# KiCad board sdi-fiber-adapter.kicad_pcb (continued)
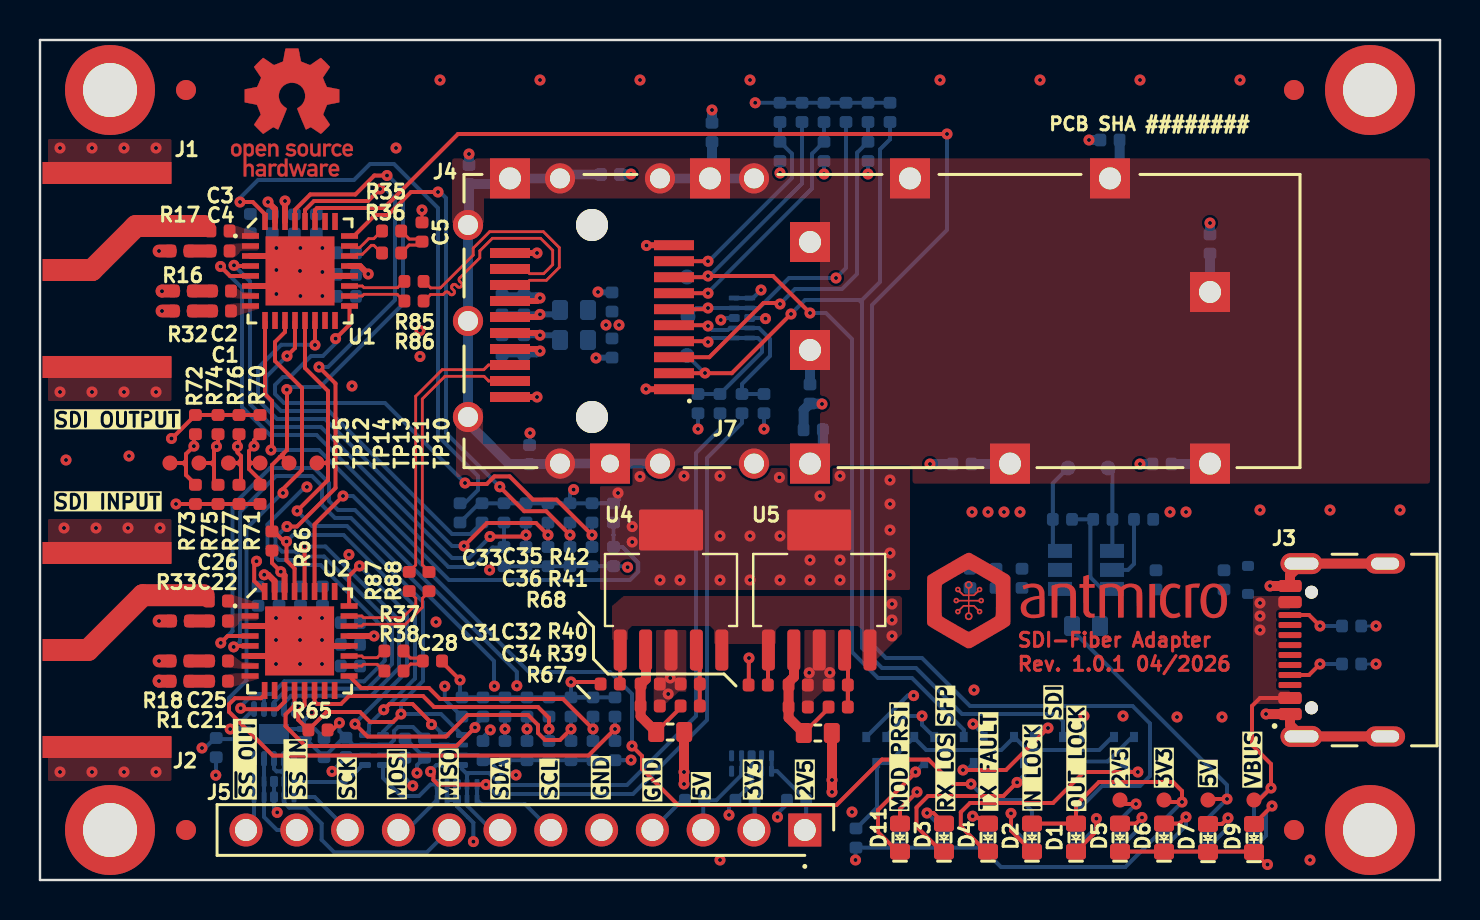
[diagram p0: board, top side]
## Library data of the parts (continued)
U6 = -: Datasheet: https://www.mouser.com/datasheet/2/115/DIOD_S_A0008958405_1-2543193.pdf; Description: Power Load Distribution Switch, High Side, Active High, 1 Output, 5.5 V, 3.6 A, 0.04 ohm, TSOT-26-6; MPN: AP22615AWU-7; Manufacturer: Diodes Incorporated; Author: Antmicro; License: Apache-2.0
U7 = -: Datasheet: https://www.nxp.com/docs/en/data-sheet/NTS0104.pdf; Description: Voltage Level Translator Bidirectional 1 Circuit 4 Channel 50Mbps 14-DHVQFN (2.5x3); MPN: NTS0104BQ; Manufacturer: NXP; Author: Antmicro; License: Apache-2.0
U8 U11 = -: Datasheet: http://www.farnell.com/datasheets/1760723.pdf; Description: Transceiver, 1.65 V to 3.6 V, XSON-8; MPN: NTS0102GT; Manufacturer: NXP; Author: Antmicro; License: Apache-2.0

## Footprints (pads in the part's own frame, mm; a bottom-side part is the same pattern mirrored in y, then rotated)
C_0402_1005Metric
  rrect 0.59x0.64 smd: 1(-0.48,0) 2(0.48,0)
Conn_Bel-Fuse_SFP+_1x20_SS-79100-004
  round 1.6 hole 1.6 unplated: (0.25,4.8) (0.25,-4.8)
  rect 2x0.5 smd: 1(-3.85,3.41) 2(-3.85,2.61) 3(-3.85,1.81) 4(-3.85,1.01) 5(-3.85,0.21) 6(-3.85,-0.59) 7(-3.85,-1.39) 8(-3.85,-2.19) 9(-3.85,-2.99) 10(-3.85,-3.79) 11(4.35,-3.4) 12(4.35,-2.6) 13(4.35,-1.8) 14(4.35,-1) 15(4.35,-0.2) 16(4.35,0.6) 17(4.35,1.4) 18(4.35,2.2) 19(4.35,3) 20(4.35,3.8)
Conn_Bel-Fuse_SFP+_Cage_SS-79100-001
  round 1.508 hole 1: SH(-2.33,-4.6) SH(-2.33,-9.6) SH(-2.33,-14.3) SH(0,0) SH(4.8,0) SH(9.6,0) SH(11.93,-4.6) SH(11.93,-9.6) SH(11.93,-14.3)
  rect 2x2 hole 0.9: SH(-2.33,-7.1)
  rect 2x2 hole 1.1: SH(-2.33,-17.1) SH(-2.33,-27.1) SH(-2.33,-37.1) SH(3.35,-17.1) SH(6.25,-37.1) SH(8.75,-17.1) SH(11.93,-2.1) SH(11.93,-12.1) SH(11.93,-22.1) SH(11.93,-32.1)
Conn_BNC_031-70526-21
  rect 1.1x1.75 smd: 1(0,7.872)
  rect 1.1x6.45 smd: 2(-4.851,10.221) 2(4.849,10.221)
DHVQFN-14-1EP_2.5x3mm
  oval 0.3x0.8 smd: 1(-0.25,1.5) 7(-0.25,-1.499) 8(0.244,-1.499) 14(0.244,1.5)
  oval 0.8x0.3 smd: 2(-1.25,1) 3(-1.25,0.5) 4(-1.25,0) 5(-1.25,-0.494) 6(-1.25,-0.994) 9(1.249,-0.994) 10(1.249,-0.494) 11(1.249,0) 12(1.249,0.5) 13(1.249,1)
  rect 1x1.5 smd: 15(0,0)
Fiducial_1mm_Mask2mm
  round 1 smd: (0,0)
L_0603_1608Metric
  rrect 0.8x1 smd: 1(-0.7,0) 2(0.7,0)
LED_0603_1608Metric_G
  rrect 0.8x1 smd: 1(-0.7,0) 2(0.7,0)
LED_0603_1608Metric_R
  rrect 0.8x1 smd: 1(-0.7,0) 2(0.7,0)
MP_Pad4.5mm_Drill2.7mm
  round 4.5 hole 2.7: 1(0,0)
PinHeader_1x12_P2.54mm_Drill1.1mm
  rect 1.65x1.65 hole 1.1: 1(0,0)
  round 1.65 hole 1.1: 2(2.54,0) 3(5.08,0) 4(7.62,0) 5(10.16,0) 6(12.7,0) 7(15.24,0) 8(17.78,0) 9(20.32,0) 10(22.86,0) 11(25.4,0) 12(27.94,0)
QFN-32-1EP_5x5mm
  rect 0.85x0.28 smd: 1(-2.495,1.702) 2(-2.495,1.2) 3(-2.495,0.701) 4(-2.495,0.201) 5(-2.495,-0.296) 6(-2.495,-0.8) 7(-2.495,-1.3) 8(-2.495,-1.8) 17(2.456,-1.8) 18(2.456,-1.3) 19(2.456,-0.8) 20(2.456,-0.296) 21(2.456,0.201) 22(2.456,0.701) 23(2.456,1.2) 24(2.456,1.702)
  rect 0.28x0.85 smd: 9(-1.768,-2.523) 10(-1.269,-2.523) 11(-0.772,-2.523) 12(-0.272,-2.523) 13(0.229,-2.523) 14(0.728,-2.523) 15(1.23,-2.523) 16(1.73,-2.523) 25(1.73,2.426) 26(1.23,2.426) 27(0.728,2.426) 28(0.229,2.426) 29(-0.272,2.426) 30(-0.772,2.426) 31(-1.269,2.426) 32(-1.768,2.426)
  rect 3.45x3.45 smd: 33(-0.02,-0.048)
R_0402_1005Metric
  rrect 0.59x0.64 smd: 1(-0.48,0) 2(0.48,0)
R_0603_1608Metric
  rrect 0.8x1 smd: 1(-0.7,0) 2(0.7,0)
SOD-523
  rrect 0.5x0.6 smd: 1(-0.701,0) 2(0.699,0)
SOT-223-6
  rrect 0.65x2.05 smd: 1(-2.54,-3) 2(-1.27,-3) 3(0,-3) 4(1.27,-3) 5(2.54,-3)
  rrect 3.2x2.05 smd: 6(0,3)
SOT-523
  rect 0.4x0.51 smd: 1(-0.5,-0.65) 2(0.498,-0.65) 3(0,0.652)
TP_SMD_0.75mm
  round 0.75 smd: 1(0,0)
TSOT23-6
  rect 1.2x0.7 smd: 1(-1.301,0.947) 2(-1.301,-0.004) 3(-1.301,-0.954) 4(1.299,-0.954) 5(1.299,-0.004) 6(1.299,0.947)
USB-C_Receptacle_GCT_USB4105-GF-A
  round 0.65 hole 0.65 unplated: (-2.891,2.426) (2.89,2.426)
  rrect 0.6x1.15 smd: A1(-3.202,3.5) A4(-2.4,3.5) A9(2.398,3.5) A12(3.2,3.5) B1(3.2,3.5) B4(2.398,3.5) B9(-2.4,3.5) B12(-3.202,3.5)
  rrect 0.3x1.15 smd: A5(-1.25,3.5) A6(-0.25,3.5) A7(0.248,3.5) A8(1.249,3.5) B5(1.749,3.5) B6(0.748,3.5) B7(-0.75,3.5) B8(-1.75,3.5)
  oval 1.05x2.1 hole 0.6x1.7: SH(-4.321,2.926) SH(4.32,2.926)
  oval 1x2 hole 0.6x1.4: SH(-4.321,-1.255) SH(4.32,-1.255)
USON-10_2.5x1mm_P0.5mm
  rrect 0.55x0.25 smd: 1(-0.387,1) 2(-0.387,0.5) 4(-0.387,-0.498) 5(-0.387,-0.998) 6(0.385,-0.998) 7(0.385,-0.498) 9(0.385,0.5) 10(0.385,1)
  rrect 0.55x0.4 smd: 3(-0.387,0) 8(0.385,0)
XSON-8_1x1.95mm_P0.5mm
  rrect 0.6x0.3 smd: 1(-0.45,0.75) 4(-0.45,-0.75) 5(0.45,-0.75) 8(0.45,0.75)
  rrect 0.6x0.25 smd: 2(-0.45,0.25) 3(-0.45,-0.25) 6(0.45,-0.25) 7(0.45,0.25)

## Nets
+2V5: C6.2 C7.2 C9.2 C10.2 C12.2 C13.2 C15.2 C16.2 C17.2 C19.2 C50.2 C52.2 C59.2 C62.1 J5.1 R2.2 R3.2 R4.2 R5.2 R6.2 R7.2 R20.2 R22.2 R24.2 R26.2 R28.2 R30.2 R50.2 R65.2 R66.2 R67.2 R70.2 R72.2 R74.2 R76.2 TP2.1 U1.21 U1.30 U2.21 U2.30 U7.1 U7.8 U8.3 U8.6 U11.3 U11.6 U12.1 U12.10
+3V3: C29.2 C30.2 C51.2 C53.2 C60.2 C61.1 D1.2 D2.2 J5.2 L1.1 L2.1 R48.2 R49.2 R53.2 R54.2 R55.2 R56.2 R57.2 R61.2 R68.2 R80.2 R81.2 R82.2 R83.2 R84.2 TP3.1 U7.14 U8.7 U11.7 U12.2 U12.9
+5V: C31.2 C33.2 C48.2 C49.1 C58.1 C63.2 J5.3 R47.2 R69.2 TP1.1 U4.1 U4.5 U5.1 U5.5 U6.1 U12.4 U12.7
/Power/2V5_OUT: C32.2 C34.2 R39.2 R67.1 U4.2
/Power/3V3_OUT: C35.2 C36.2 R41.2 R68.1 U5.2
GND: C5.1 C6.1 C7.1 C9.1 C10.1 C11.1 C12.1 C13.1 C14.1 C15.1 C16.1 C17.1 C18.1 C19.1 C20.1 C28.1 C29.1 C30.1 C31.1 C32.1 C33.1 C34.1 C35.1 C36.1 C37.1 C38.1 C39.1 C40.1 C41.1 C42.1 C43.1 C44.1 C45.1 C46.1 C47.2 C48.1 C49.2 C50.1 C51.1 C52.1 C53.1 C54.1 C55.1 C56.1 C57.1 C58.2 C59.1 C60.1 C61.2 C62.2 C63.1 D5.1 D6.1 D7.1 D8.2 D9.1 J1.2 J2.2 J3.A1 J3.A12 J3.B1 J3.B12 J3.SH J5.4 J5.5 J7.1 J7.10 J7.11 J7.14 J7.17 J7.20 MP1.1 MP2.1 MP3.1 MP4.1 Q1.2 Q2.2 Q3.2 Q4.2 R1.1 R8.1 R9.1 R10.1 R11.1 R12.1 R13.1 R14.1 R16.1 R17.1 R18.1 R19.1 R21.1 R23.1 R25.1 R27.1 R29.1 R31.1 R32.1 R33.1 R40.1 R42.1 R43.1 R44.1 R58.1 R59.1 R60.1 R62.1 R63.1 R71.1 R73.1 R75.1 R77.1 R78.1 R79.1 U1.3 U1.6 U1.20 U1.33 U2.3 U2.6 U2.20 U2.33 U3.3 U3.5 U3.6 U3.8 U4.3 U4.6 U5.3 U5.6 U6.2 U7.7 U7.15 U8.2 U9.3 U9.4 U9.7 U9.8 U10.3 U10.8 U11.2 U12.3 U12.8
/Fiber/100OHM-DIFF.RD+: J7.13 R85.2
/Fiber/100OHM-DIFF.RD-: J7.12 R86.2
/Fiber/100OHM-DIFF.TD+: J7.18 R87.2
/Fiber/100OHM-DIFF.TD-: J7.19 R88.2
/Fiber/I2C.SCL: J5.6 R52.1 U9.1 U9.10 U11.1
/Fiber/I2C.SDA: J5.7 R51.1 U9.2 U9.9 U11.8
/Fiber/MOD_ABS: J7.6 Q4.1 R53.1 TP4.1 U3.4 U3.7
/Fiber/MOD_PRST: Q3.1 Q4.3 Q5.1 Q6.1 R81.1
/Fiber/RS0: J7.7 R60.2 R84.1
/Fiber/RS1: J7.9 R59.2 R83.1
/Fiber/RX_LOS: J7.8 Q1.1 R54.1 TP5.1
/Fiber/SCL_SFP: J7.5 R52.2 R56.1 U3.2 U3.9
/Fiber/SDA_SFP: J7.4 R51.2 R57.1 U3.1 U3.10
/Fiber/SH: C38.2 C39.2 C40.2 C41.2 C42.2 C43.2 C44.2 C45.2 C46.2 J4.SH R62.2
/Fiber/TX_DISABLE: J7.3 R58.2 R82.1
/Fiber/TX_FAULT: J7.2 Q2.1 R55.1 TP6.1
/Power/USBC_EN: R46.1 TP9.1 U6.4
/Power/USBC_FLG: R45.1 TP8.1 U6.3
/Power/USBC_ISET: R63.2 U6.5
/Power/USBC_VBUS: C47.1 C57.2 D8.1 J3.A4 J3.A9 J3.B4 J3.B9 R45.2 R46.2 R64.2 R69.1 TP7.1 U6.6
/SDI/ADDR0_~{SS0}_2V5: R70.1 R71.2 TP13.1 U2.11 U7.3
/SDI/ADDR0_~{SS1}_2V5: R74.1 R75.2 TP12.1 U1.11 U7.2
/SDI/ADDR1_MISO_0_2V5: R72.1 R73.2 TP15.1 U2.28 U7.5
/SDI/ADDR1_MISO_1_2V5: R76.1 R77.2 TP14.1 U1.28 U7.4
/SDI/ENABLE0: R78.2 U2.32
/SDI/ENABLE1: R79.2 U1.32
/SDI/EQ_CD_SEL0: R20.1 R21.2 U2.5
/SDI/EQ_CD_SEL1: R2.1 R9.2 U1.5
/SDI/HOST_EQ00: R30.1 R31.2 U2.9
/SDI/HOST_EQ01: R7.1 R14.2 U1.9
/SDI/IN0_C+: R37.1 U2.19
/SDI/IN0_C-: R38.1 U2.18
/SDI/MODE_SEL0: R19.2 U2.12
/SDI/MODE_SEL1: R8.2 U1.12
/SDI/OUT0_C+: R35.1 U1.23
/SDI/OUT0_C-: R36.1 U1.22
/SDI/OUT0_SEL0: R22.1 R23.2 U2.4
/SDI/OUT0_SEL1: R3.1 R10.2 U1.4
/SDI/OUT_CTRL0: R28.1 R29.2 U2.17
/SDI/OUT_CTRL1: R6.1 R13.2 U1.17
/SDI/RD_C+: R85.1 U1.19
/SDI/RD_C-: R86.1 U1.18
/SDI/SCL_SCK_2V5: R66.1 TP11.1 U1.29 U2.29 U8.4 U11.4
/SDI/SDA_MOSI_2V5: R65.1 TP10.1 U1.13 U2.13 U8.5 U11.5
/SDI/SDI0_IO+: C22.1 J2.1
/SDI/SDI0_IO-: C26.1 R33.2
/SDI/SDI0_IO_C+: C22.2 U2.1
/SDI/SDI0_IO_C-: C26.2 U2.2
/SDI/SDI0_OUT+: C21.1 R1.2
/SDI/SDI0_OUT-: C25.1 R18.2
/SDI/SDI0_OUT_C+: C21.2 U2.8
/SDI/SDI0_OUT_C-: C25.2 U2.7
/SDI/SDI1_IO+: C3.1 J1.1
/SDI/SDI1_IO-: C4.1 R17.2
/SDI/SDI1_IO_C+: C3.2 U1.1
/SDI/SDI1_IO_C-: C4.2 U1.2
/SDI/SDI1_OUT+: C1.1 R16.2
/SDI/SDI1_OUT-: C2.1 R32.2
/SDI/SDI1_OUT_C+: C1.2 U1.8
/SDI/SDI1_OUT_C-: C2.2 U1.7
/SDI/SDI_OUT_SEL0: R24.1 R25.2 U2.14
/SDI/SDI_OUT_SEL1: R4.1 R11.2 U1.14
/SDI/SDI_VOD0: R26.1 R27.2 U2.24
/SDI/SDI_VOD1: R5.1 R12.2 U1.24
/SDI/SPI.MISO: J5.8 U7.10 U7.11 U10.2 U10.9
/SDI/SPI.MOSI: J5.9 U8.8 U9.5 U9.6
/SDI/SPI.SCK: J5.10 U8.1 U10.1 U10.10
/SDI/SPI.~{SS0}: J5.11 U7.12 U10.4 U10.7
/SDI/SPI.~{SS1}: J5.12 U7.13 U10.5 U10.6
/SDI/TD_C+: R87.1 U2.23
/SDI/TD_C-: R88.1 U2.22
/SDI/~{LOCK0}: R34.1 U2.27
/SDI/~{LOCK1}: R15.1 U1.27
Net-(C5-Pad2): C5.2 R35.2 R36.2
Net-(C28-Pad2): C28.2 R37.2 R38.2
Net-(D1-C): D1.1 R15.2
Net-(D2-C): D2.1 R34.2
Net-(D3-A): D3.2 R48.1
Net-(D3-C): D3.1 Q6.3
Net-(D4-A): D4.2 R49.1
Net-(D4-C): D4.1 Q5.3
Net-(D5-A): D5.2 R50.1
Net-(D6-A): D6.2 R61.1
Net-(D7-A): D7.2 R47.1
Net-(D9-A): D9.2 R64.1
Net-(D11-A): D11.2 R80.1
Net-(D11-C): D11.1 Q3.3
Net-(J3-CC_{1}): J3.A5 R43.2
Net-(J3-CC_{2}): J3.B5 R44.2
Net-(J7-V_{CC}(R)): C37.2 C54.2 J7.15 L1.2
Net-(J7-V_{CC}(T)): C55.2 C56.2 J7.16 L2.2
Net-(Q1-D): Q1.3 Q6.2
Net-(Q2-D): Q2.3 Q5.2
Net-(U1-VDD_LDO): C11.2 C14.2 U1.31
Net-(U2-VDD_LDO): C18.2 C20.2 U2.31
Net-(U4-FB): R39.1 R40.2 U4.4
Net-(U5-FB): R41.1 R42.2 U5.4

Pads without a net: J3 A6 A7 A8 B6 B7 B8; U1 10 15 16 25 26; U2 10 15 16 25 26; U7 6 9; U12 5 6

## Via types
v1: diameter 0.55, hole 0.2, Top to Bottom, 268 vias

## Routing (per net, layer and track width the routed paths; a pad name or vN(x,y) marks a point on that pad's centre or on a via; arc(x,y) is an arc through that point)
+2V5: length 154.3
  Top w0.2: v1(54.8,3.8) 54.2,3.8 TP2.1 ; R65.2 14.61,7.5 v1(14.97,7.86) ; R70.2 R72.2 6.59,22.08 v1(6.58,22.08) ; R66.2 11.6,15.85 v1(12.04,15.41)
  Top w0.3: v1(12.25,33.95) 12.25,33.95 U1.30 ; v1(12.04,15.41) 12.23,15.22 U2.30 ; U1.21 16,30.7 16.3,30.4 16.31,30.4 v1(16.41,30.3) ; U2.21 v1(16.7,12.2)
  Top w0.5: R67.2 32.2,7.39 v1(32.2,5.4) 32.2,4.85
  In1.Cu w0.2: v1(54.8,3.8) 53.5,2.5 J5.1
  In2.Cu w0.2: 30.75,6.85 30.75,6.6 30.15,6 v1(29.55,6) ; 27.3,13.5 29.38,15.58 v1(29.38,15.64) ; 21.75,14.75 21.75,9.6 21.16,9.01 16.12,9.01 v1(14.97,7.86) 9.82,7.86 v1(9.51,7.55) ; v1(6.58,22.08) 11.35,17.3 11.35,16.2 12.04,15.51 v1(12.04,15.41)
  In2.Cu w0.8: 17.36,14.54 16.71,14.54 ; 17.36,14.54 17.35,14.55 17.35,29.36 v1(16.41,30.3) 16.3,30.41 16.3,32.4 14.75,33.95 v1(12.25,33.95) ; 17.36,14.54 26.26,14.54 30.24,10.56 30.24,7.36 v1(32.2,5.4) v1(32.2,4.8) 37.26,4.8 38.24,3.83 J5.1 ; 16.71,14.54 12.91,14.54 v1(12.04,15.41) ; 16.71,14.54 16.7,14.53 v1(16.7,12.2)
  Bottom w0.2: U7.1 9.51,7.55 v1(9.51,7.55) ; 9.9,7.54 10.2,7.54 ; R50.2 54,3 v1(54.8,3.8) ; R20.2 R30.2 29.54,5.99 v1(29.55,6) ; C52.2 15.66,6.75 U8.3 U8.6 17.45,6.75 17.7,7 17.7,7.45 17.9,7.65 18.65,7.65 C59.2 19.55,6.75 U11.6 ; C52.2 14.97,7.44 v1(14.97,7.86) ; C52.2 15.17,7.11 C50.2 ; C50.2 13.28,7.06 U7.8 13.43,7.06 ; C50.2 14.16,6.14 ; U12.10 U12.1 36.86,5.44 C62.1 38.31,2.57 J5.1 ; R2.2 29.33,15.69 v1(29.38,15.64)
+3V3: length 162.7
  Top w0.2: D2.2 D1.2 51.8,3.75 52.95,4.9 56.65,4.9 57.1,4.45 v1(57.1,3.9) 56.3,3.9 TP3.1
  Top w0.5: R68.2 39.6,7.34 v1(39.6,5) v1(39.6,4.4)
  In2.Cu w0.2: v1(40.78,1) 40.38,1.4 39.75,1.4 39.6,1.25 39.6,1.4 ; 35.9,38.8 35.82,38.8 v1(35.76,38.86) 33.9,37 30.4,37 28.95,35.55 v1(28.95,27.75) ; v1(8.1,6.6) 9.45,6.6 11.34,4.71 v1(18.64,4.71) 20.86,4.71 21.45,5.3 23.75,5.3 v1(23.8,5.25) 30.75,5.25 31.95,4.05 35.32,4.05 35.7,3.67 J5.2
  In2.Cu w0.5: 39.6,1.4 v1(39.6,4.4) 39.6,7.95 ; 28.85,27.75 28.4,27.75 ; 42.4,22.55 v1(36.2,22.55) v1(32.9,22.55)
  In2.Cu w0.8: J5.2 37.1,1.1 39.3,1.1 39.6,1.4 39.6,7.95 43.5,11.85 43.5,21.45 42.4,22.55 v1(32.9,22.55) 32.85,22.55 31.5,23.9 31.5,25.2 v1(28.95,27.75) v1(28.3,27.75)
  Bottom w0.2: v1(18.64,4.71) 18.25,5.1 C53.2 ; U12.9 U12.2 36.08,4.34 C61.1 35.73,2.53 J5.2 ; v1(40.78,1) 40.78,1.59 R81.2 R80.2 R48.2 R49.2 47.4,1.3 48.05,0.65 54.27,0.65 R61.2 56.2,3 v1(57.1,3.9) ; v1(23.8,5.25) 23.7,5.35 23.04,5.35 22.4,5.99 C60.2 21.89,6.25 U11.7 ; R57.2 v1(32.9,22.55) ; R56.2 v1(36.2,22.55) ; v1(8.1,6.6) 8.25,6.6 8.75,7.1 C51.2 8.86,7.05 10.2,7.05 ; C53.2 18.12,6.25 U8.7 ; C53.2 18.25,5.91 ; v1(35.76,38.86) R55.2
+5V: length 39.7
  Top w0.2: U5.1 36.4,11.48 36.4,9.6 ; U4.1 29.01,9.82 C31.2 29.02,9.83 ; TP1.1 58.45,4.05 v1(59.35,4.05)
  Top w0.5: 28.98,11.47 U4.1
  In1.Cu w1: J5.3 33.16,3.67 37.39,7.9 39.55,7.9 42.6,10.95 v1(42.6,13.8)
  Bottom w0.2: U12.7 U12.4 35.08,5.26 33.81,3.99 C58.1 33.16,3.94 J5.3 ; R69.2 51.6,12.5 59.35,4.75 v1(59.35,4.05) 58.4,3.1 R47.2
  vias: v1(42.6,13) v1(42.6,12.2)
/Power/2V5_OUT: length 6.4
  Top w0.2: R67.1 32.03,8.62 R39.2
  Top w0.5: U4.2 30.3,11.48 30.3,10.05 30.02,9.77 ; C32.2 C34.2 30.03,8.18 R67.1
/Power/3V3_OUT: length 6.3
  Top w0.2: R68.1 39.43,8.59 R41.2
  Top w0.5: U5.2 37.7,11.49 37.7,10.16 37.43,9.89 ; R68.1 37.43,8.11 C36.2 C35.2
GND: length 127.9
  Top w0.15: v1(19.1,33.5) C5.1
  Top w0.2: C28.1 20.1,10.9 v1(21,10) ; v1(35.45,11.1) 35.45,10.87 35.44,10.86 35.44,9.6 ; v1(61.38,0.78) 61.25,0.9 61.2,0.9 60.68,1.42 D5.1 ; R71.1 v1(6.8,18.8) ; v1(26.55,9.9) 27.93,9.9 28.02,9.81
  Top w0.3: U1.6 12.25,29.7 v1(13,30.45) ; v1(25,29.1) 24.85,28.95 J7.14 ; U2.33 12.23,11.2 U2.6 ; U2.33 13.23,11.7 U2.20 ; U2.33 12.23,12.7 U2.3 ; v1(13,30.45) 13.25,30.2 U1.20 ; v1(13,30.45) 12.25,31.2 U1.3 ; J7.1 30.36,24.54 30.35,24.55 v1(30.3,24.55) ; v1(25,26.45) 24.9,26.55 J7.17 23.55,26.6 ; J7.20 v1(24.85,24.15) ; J7.11 v1(24.85,31.35) ; v1(30.32,31.72) 30.34,31.74 J7.10 ; 6.48,31.48 R17.1
  Top w0.5: v1(61.5,14.7) J3.A12 62.5,15.25 J3.SH J3.SH ; J3.SH J3.SH 62.5,7.75 J3.A1 61.3,8.3 v1(61.3,8.3)
  Top w0.64: R33.1 v1(5.95,12.95) ; v1(6.1,29.44) 6.11,29.45 R32.1 ; R18.1 v1(5.95,10.95) ; R1.1 5.96,9.94 v1(5.95,9.95) ; R16.1 v1(6.1,28.45) ; R17.1 v1(5.95,31.45)
  Bottom w0.15: R44.1 v1(66.8,12.7) ; R43.1 v1(66.8,10.8)
  Bottom w0.2: v1(36.88,3.15) 36.9,3.17 36.9,3.35 37.35,3.8 C62.2 ; 18.12,7.08 18.14,7.08 ; 47.16,7.15 47.16,7.29 v1(46.65,7.8) ; 18.26,7.08 C59.1 18.85,5.74 v1(18.85,5.35) ; R58.1 v1(41.4,35.3) ; U7.7 11.95,7.55 U7.15 ; U7.7 13.75,7.55 C50.1 14.35,7.1 ; U7.7 13.2,7.99 v1(13.59,8.37) ; v1(26.68,19.52) 26.5,19.34 R12.1 ; v1(36.05,29.5) 35.65,29.1 U3.6 U3.5 ; C46.1 24.5,21.77 v1(24.5,22.35) ; U9.3 U9.8 U9.7 20.35,3.82 ; U9.3 U9.4 ; U9.3 20.85,3.68 21.67,2.86 v1(21.67,1.92) ; v1(37,35.35) R59.1 ; v1(21,10) 21,9.23 R78.1 R19.1 R31.1 ; v1(26.55,9.9) R27.1 R29.1 ; 11.8,4.83 11.7,4.92 U10.3 11.7,3.54 v1(11.86,3.38) ; R14.1 R8.1 21.96,18.83 R79.1 ; J5.4 32.11,3.99 C58.2 ; 23.22,9.13 R21.1 ; 44.71,7.29 Q3.2 44.1,7.76 v1(44.1,8.2) ; 8.8,5.88 8.8,5.25 v1(8.79,5.24) ; v1(36.28,28.07) 36.24,28.1 U3.8 ; v1(22.51,7.51) 22.15,7.14 C60.1 ; U11.2 19.24,6.25 19.1,6.11 ; U12.8 35.58,4.8 C61.2 34.45,3.67 v1(34.45,3.25) ; v1(14.6,5.43) 15.3,6.13 C52.1 15.4,6.25 U8.2 ; U3.3 34.14,28.1 v1(34.04,28) ; Q4.2 42.31,7.21 43.3,8.2 43.8,8.2 ; v1(52.2,8.2) 52.2,7.15 ; R60.1 v1(39.2,35.3)
  Bottom w0.3: C29.1 27.92,29.38 v1(27.9,29.4) ; v1(25,26.45) 24.83,26.28 C55.1 23.18,26.36 ; R14.1 28.9,19.06 v1(28.9,19.35) ; 51.39,15.53 50.88,15.53 ; C37.1 24.86,29.24 v1(25,29.1) ; C30.1 27.82,26.12 v1(27.8,26.1)
  Bottom w0.5: v1(29.55,35.3) 29.53,35.28 R62.1 ; C43.1 v1(58.5,32.85) ; v1(33.6,38.5) C44.1 ; C39.1 v1(44.5,20.8) ; C45.1 38.18,23.5 C38.1 39.08,23.82 v1(39.1,23.8) ; C41.1 v1(52.45,37) ; C42.1 v1(21.45,36.3) ; C40.1 v1(55,20.8)
  vias: v1(1,36.6) v1(1,24.4) v1(1,5.4) v1(1.2,17.6) v1(1.3,21) v1(2.6,36.6) v1(2.6,24.4) v1(2.6,5.4) v1(2.8,17.6) v1(4.2,36.6) v1(4.2,24.4) v1(4.2,5.4) v1(4.4,17.6) v1(4.45,21.2) v1(5.8,36.6) v1(5.8,24.4) v1(5.8,5.4) v1(6,17.6) v1(11.82,31.6) v1(11.82,30.5) v1(11.82,29.3) v1(11.8,13.1) v1(11.8,12) v1(11.8,10.8) v1(13.02,31.6) v1(13.02,29.2) v1(13,13.1) v1(13,12) v1(13,10.8) v1(14.12,31.6) v1(14.12,30.4) v1(14.12,29.2) v1(14.1,13.1) v1(14.1,12) v1(14.1,10.8) v1(15.45,16.27) v1(15.6,24.7) v1(17.8,36.6) v1(19,27.47) v1(19,26.17) v1(19.8,12.9) v1(20,40) v1(22.48,15.5) v1(25,40) v1(29.61,17.67) v1(29.61,16.9) v1(30,40) v1(30,20.17) v1(31,15) v1(31.41,9.3) v1(31.51,10.1) v1(32,15) v1(32.2,20.2) v1(34,20.2) v1(34,17.2) v1(34,15) v1(34,1) v1(35.5,40) v1(35.5,17.2) v1(35.5,15) v1(36.97,20.13) v1(37,17.2) v1(37,15) v1(38.5,16) v1(38.5,15) v1(38.46,10.36) v1(39,19.2) v1(39.49,10.37) v1(40,20.2) v1(40,16) v1(40,15) v1(40.6,3.4) v1(42.5,20) v1(42.5,18.8) v1(42.5,17.5) v1(42.5,16.35) v1(42.5,15.25) v1(45,40) v1(46.6,18.4) v1(46.7,9.5) v1(47.4,18.4) v1(48.2,18.4) v1(49,18.4) v1(50,40) v1(54.15,8.2) v1(55,40) v1(56.5,18.4) v1(56.85,8.15) v1(57.3,18.4) v1(59.1,8.15) v1(60,40) v1(61,18.5) v1(63.5,1) v1(64.5,18.5) v1(68,18.5)
/Fiber/100OHM-DIFF.RD+: length 12.5
  Top w0.14: J7.13 24.25,29.75 24.49,29.98 25.32,29.98 25.97,30.63 25.97,31.62 25.17,32.42 22.48,32.42 21.66,31.59 21.66,31.24 20.02,29.61 19.53,29.61 19.21,29.93 R85.2 ; 19.25,29.93 19.28,29.93
/Fiber/100OHM-DIFF.RD-: length 12.4
  Top w0.14: R86.2 19.21,28.95 19.53,29.28 20.16,29.28 20.26,29.38 arc(20.34,29.41) 20.41,29.38 20.51,29.28 arc(20.59,29.25) 20.66,29.28 20.7,29.32 arc(20.73,29.4) 20.7,29.47 20.6,29.57 arc(20.57,29.64) 20.6,29.72 20.64,29.76 arc(20.71,29.79) 20.79,29.76 20.89,29.66 arc(20.96,29.63) 21.04,29.66 21.07,29.7 arc(21.1,29.77) 21.07,29.85 20.98,29.94 arc(20.95,30.02) 20.98,30.09 21.99,31.11 21.99,31.46 22.62,32.08 25.03,32.08 25.63,31.48 25.63,30.77 25.18,30.31 24.49,30.31 24.25,30.55 J7.12 ; 19.25,28.95 19.28,28.95
/Fiber/100OHM-DIFF.TD+: length 14.3
  Top w0.14: R87.2 18.46,15.42 18.78,15.75 18.78,24.19 20.11,25.52 22.19,25.52 22.43,25.75 J7.18
/Fiber/100OHM-DIFF.TD-: length 13.7
  Top w0.14: R88.2 19.45,15.42 19.12,15.76 19.12,24.05 20.25,25.19 22.2,25.19 22.44,24.95 J7.19
/Fiber/I2C.SCL: length 38.4
  Top w0.2: v1(22.3,4.78) 19.9,4.78 19.67,5 19.67,5.28 v1(19.53,5.42)
  Bottom w0.2: 21.85,4.05 U9.10 21.85,4.78 v1(22.3,4.78) 22.78,4.3 29.65,4.3 33.35,8 33.35,21.1 35.1,22.85 R52.1 ; U9.1 22.06,3.79 24.25,3.79 J5.6 ; v1(19.53,5.42) 19.67,5.56 19.67,5.6 19.82,5.75 U11.1
/Fiber/I2C.SDA: length 33.3
  Bottom w0.2: U11.8 21.1,5.55 21.3,5.35 21.4,5.35 ; J5.7 22.58,2.5 21.35,3.73 U9.2 U9.9 21.35,5.24 ; 21.4,5.35 21.52,5.35 ; 21.4,5.35 21.35,5.3 21.35,5.24 ; 21.35,5.24 21.46,5.35 21.52,5.35 ; R51.1 34,22.55 32.8,21.35 32.8,8.2 29.35,4.75 23.05,4.75 22.45,5.35 21.52,5.35
/Fiber/MOD_ABS: length 44.9
  Top w0.2: J7.6 33.34,28.54 v1(33.4,28.6)
  In2.Cu w0.2: v1(39.8,30.1) 39.85,30.1 45.2,24.75 45.2,10.74 v1(43.68,9.22)
  Bottom w0.2: v1(43.68,9.22) 43.38,9.22 Q4.1 ; R53.1 40.3,30.6 v1(39.8,30.1) 37.45,30.1 35.95,28.6 v1(33.4,28.6) 32.82,28.6 TP4.1
/Fiber/MOD_PRST: length 16.9
  Bottom w0.2: Q4.3 42.41,5.85 Q3.1 43.71,7.1 44.31,6.5 48.06,6.5 48.71,7.15 49.36,6.5 52.96,6.5 53.61,7.15 ; 41.85,5.85 41.85,3.61 40.96,2.72
/Fiber/RS0: length 12.7
  Top w0.2: v1(33.4,29.34) J7.7
  Bottom w0.2: v1(33.4,29.34) 33.4,29.38 38.6,34.58 38.6,36.31 R60.2 R84.1
/Fiber/RS1: length 10.7
  Top w0.2: v1(33.4,30.94) J7.9
  Bottom w0.2: R83.1 R59.2 37.6,36.31 37.6,35.1 33.44,30.94 v1(33.4,30.94)
/Fiber/RX_LOS: length 44.3
  Top w0.2: v1(38.5,28.35) 36.65,30.2 v1(33.4,30.2) 33.34,30.14 J7.8
  Bottom w0.2: v1(33.4,30.2) 33.35,30.15 TP5.1 ; v1(33.4,30.2) 33.47,30.2 38.1,34.83 R54.1 ; v1(33.4,30.2) 33.5,30.2 ; Q1.1 46.19,7.51 43.6,10.1 41.9,10.1 40.6,11.4 40.6,27.05 39.3,28.35 v1(38.5,28.35)
/Fiber/SCL_SFP: length 9.6
  Top w0.2: J7.5 33.36,27.74 v1(33.4,27.7)
  Bottom w0.2: v1(33.4,27.7) 33.6,27.5 34.4,27.5 34.5,27.6 U3.9 35.95,27.6 36.5,27.05 36.5,26.2 35.1,24.8 R52.2 R56.1
/Fiber/SDA_SFP: length 9.2
  Top w0.2: v1(33.4,26.9) 33.36,26.94 J7.4
  Bottom w0.2: R57.1 R51.2 36.1,26.4 36.1,26.9 35.9,27.1 U3.10 33.6,27.1 v1(33.4,26.9)
/Fiber/SH: length 60.5
  In2.Cu w0.5: J4.SH J4.SH ; J4.SH 38.4,31.9 ; J4.SH 38.6,31.9 ; J4.SH 38.6,31.8 ; 35.22,35.08 J4.SH J4.SH ; J4.SH 38.6,26.6 ; J4.SH 23.73,35.08 J4.SH
  Bottom w0.5: C44.2 33.6,35.18 J4.SH ; J4.SH 53.98,35.56 C41.2 ; 21.2,32.95 J4.SH J4.SH J4.SH 21.4,22.85 23.45,20.8 25.98,20.8 J4.SH J4.SH ; C40.2 58.48,20.8 J4.SH ; 28.04,35.28 26.2,35.28 J4.SH J4.SH 23.22,34.8 ; C39.2 48.48,20.8 J4.SH ; 39.14,22.59 39.14,20.87 ; J4.SH C38.2 ; 21.45,32.95 21.45,34.8 23.47,34.8 ; J4.SH J4.SH ; 38.48,20.84 J4.SH ; C43.2 J4.SH
/Fiber/TX_DISABLE: length 18.7
  Top w0.2: J7.3 33.47,26.14 36.18,28.85 36.95,28.85 v1(37,28.8)
  Bottom w0.2: R82.1 R58.2 40.85,36.36 40.85,30.3 40.1,29.55 37.75,29.55 v1(37,28.8)
/Fiber/TX_FAULT: length 51.7
  Top w0.2: v1(37.55,28.3) 34.59,25.34 J7.2
  Bottom w0.2: 41.1,29 42,29.9 42,36.53 42.5,37.03 R55.1 ; 41.1,29 40.92,29 ; 41.1,29 41.1,28.84 ; 40.92,29 38.25,29 v1(37.55,28.3) ; 40.92,29 40.94,29 41.1,28.84 ; v1(33.25,25.35) 33.22,25.35 TP6.1 ; 41.1,28.84 41.1,11.6 42.1,10.6 43.8,10.6 46.1,8.3 50.8,8.3 51.15,7.95 Q2.1
/Power/USBC_EN: length 4.3
  Bottom w0.2: 53.49,16.48 53.62,16.62 R46.1 53.62,20.38 TP9.1
/Power/USBC_FLG: length 4.5
  Bottom w0.2: TP8.1 50.64,19.84 50.64,16.73 50.88,16.48
/Power/USBC_ISET: length 3.5
  Bottom w0.2: R63.2 54.7,15.8 54.4,15.5 U6.5 ; 53.53,15.58 53.49,15.53
/Power/USBC_VBUS: length 15.3
  Top w0.2: J3.A4 61,9.1 60.6,8.7 60.6,6.75 61.55,5.8 v1(61.55,4.6) 60.95,4 TP7.1
  Bottom w0.2: R64.2 60.7,3.8 61.5,4.6 v1(61.55,4.6) ; 53.49,14.58 53.07,14.58 52.52,15.13 52.52,17.89 R46.2 R45.2
  vias: v1(61,13.85) v1(61,13.2) v1(61,12.5)
/SDI/ADDR0_~{SS0}_2V5: length 33.1
  Top w0.2: R70.1 10.7,21.99 v1(10.7,21.7) ; v1(10.7,21.7) 10.45,21.45 10.45,20.97 ; v1(10.7,21.7) 10.75,21.65 ; 10.45,20.85 10.45,20.97 ; 10.45,20.85 10.45,20.75 ; 10.45,20.85 10.56,20.85 ; 10.45,20.97 10.45,20.96 10.56,20.85 ; R71.2 11,20 10.45,20.55 10.45,20.75 ; 10.56,20.85 10.46,20.75 10.45,20.75 ; 10.56,20.85 TP13.1 ; 12.23,9.12 12.23,8.91 11.86,8.54 10.08,8.54 v1(10.03,8.59) ; 12.23,8.93 U2.11
  In2.Cu w0.2: v1(13.35,19.65) 12.65,20.35 11.99,20.35 10.7,21.64 v1(10.7,21.7)
  Bottom w0.2: 11.2,9.2 11.1,9.3 11.06,9.3 ; 11.2,9.2 U7.3 ; 11.2,9.2 11.3,9.3 11.33,9.3 ; 11.2,9.2 11.2,9.3 ; v1(13.35,19.65) 13.2,19.5 13.1,19.5 11.38,17.78 11.38,16.55 11.92,16 12.6,16 12.85,15.75 14.03,15.75 17.24,12.54 17.24,10.96 16.2,9.93 12.22,9.93 11.59,9.3 11.33,9.3 ; 11.06,9.3 10.65,9.3 9.97,8.62 ; 11.06,9.3 11.2,9.3 ; 11.33,9.3 11.2,9.3 ; v1(10.03,8.59) 9.97,8.66
/SDI/ADDR0_~{SS1}_2V5: length 31.4
  Top w0.2: 8.7,20.85 8.7,20.72 ; 8.7,20.85 8.7,20.96 ; 8.7,20.85 8.56,20.85 ; 8.7,20.72 8.69,20.72 8.56,20.85 ; 8.7,20.72 8.7,19.96 R75.2 ; 8.7,20.96 8.59,20.85 8.56,20.85 ; 8.7,20.96 8.7,21.55 v1(8.83,21.67) 8.9,21.75 R74.1 ; 8.17,20.85 8.56,20.85 ; v1(12.15,19.35) 12.15,19.55 13.1,20.5 13.1,24.6 11.75,25.95 11.75,26.9 12.25,27.4 U1.11
  In2.Cu w0.2: v1(12.15,19.35) 12.1,19.4 11.1,19.4 v1(8.83,21.67)
  Bottom w0.2: U7.2 10.14,7.99 9.88,7.99 9.45,8.42 9.45,9.1 10.33,9.98 10.33,17.58 12.1,19.35 v1(12.15,19.35)
/SDI/ADDR1_MISO_0_2V5: length 30.2
  Top w0.2: 7.3,20.7 7.3,20.71 7.16,20.85 ; 7.3,20.7 7.3,20.25 7.77,19.78 R73.2 ; 7.3,20.7 7.3,20.85 ; 7.16,20.85 7.18,20.85 7.3,20.97 ; 7.16,20.85 TP15.1 ; 7.16,20.85 7.3,20.85 ; 7.3,20.97 7.3,20.85 ; 7.3,20.97 7.3,21.3 v1(7.69,21.69) 7.69,22.22 R72.1 ; U2.28 13.23,16.17 v1(13.23,16.67)
  In2.Cu w0.2: v1(13.23,16.67) 12.95,16.4 12.05,16.4 11.75,16.7 11.75,17.64 v1(7.69,21.69)
  Bottom w0.2: v1(13.23,16.67) 14.28,16.67 17.95,13 17.95,10.6 16.56,9.21 12.55,9.21 12.19,8.85 U7.5
/SDI/ADDR1_MISO_1_2V5: length 53.2
  Top w0.2: 10.05,20.97 10.05,20.8 ; 10.05,20.97 10.02,20.97 9.9,20.85 ; 10.05,20.97 10.05,21.2 9.88,21.38 v1(9.88,21.67) 9.95,21.75 R76.1 ; 10.05,20.8 10.05,20.7 ; 10.05,20.8 10,20.85 9.9,20.85 ; 9.9,20.85 10.05,20.7 ; 9.9,20.85 TP14.1 ; 10.05,20.7 10.05,19.86 R77.2 ; v1(13.95,25.65) 14.78,24.83 14.78,19.6 12.85,17.67 v1(12.35,17.67) ; v1(17,34.55) 16.4,33.95 13.7,33.95 13.25,33.5 U1.28
  In2.Cu w0.2: v1(9.88,21.67) 11.65,19.9 12.35,19.9 12.72,19.53 12.72,19.12 12.35,18.75 v1(12.35,17.67)
  Bottom w0.2: v1(12.35,17.67) 12.33,17.67 11.78,17.12 11.78,16.75 12.1,16.42 12.77,16.42 13.02,16.17 14.2,16.17 17.6,12.78 17.6,10.8 16.37,9.57 12.38,9.57 11.7,8.89 11.7,8.65 ; 11.7,8.84 U7.4 11.7,8.85 ; v1(13.95,25.65) 14.4,25.65 17.75,29 17.75,34.08 17.28,34.55 v1(17,34.55)
/SDI/ENABLE0: length 17.4
  Top w0.2: v1(10.83,15.94) 10.71,15.82 10.71,14.95 U2.32
  In2.Cu w0.2: v1(10.83,15.94) 10.71,15.82 10.71,14.96 11.05,14.62 11.86,14.62 12.65,13.83 15.86,13.83 16,13.69 16,11.91 18.22,9.69 v1(20.24,9.69)
  Bottom w0.2: v1(20.24,9.69) 20.24,9.03 R78.2
/SDI/ENABLE1: length 29.7
  Top w0.2: U1.32 11.25,33.29 10.64,33.9 v1(10,33.9)
  Bottom w0.2: v1(10,33.9) 10,34.1 10.9,35 15.7,35 16.5,35.8 17.7,35.8 19.9,33.6 19.9,22.2 21.9,20.2 21.9,19.5 21.24,18.83 R79.2
/SDI/EQ_CD_SEL0: length 30.4
  Top w0.2: U2.5 9.73,11.7 v1(9.68,11.65)
  In2.Cu w0.2: v1(22.72,9.69) 23.25,9.16 v1(23.25,7.55)
  Bottom w0.2: v1(9.68,11.65) 9.73,11.65 10,11.92 10,18.4 11.8,20.2 13.6,20.2 14.1,19.7 14.1,18.75 14.75,18.1 15.55,18.1 22.7,10.95 22.7,9.71 v1(22.72,9.69) ; R21.2 v1(23.25,7.55) R20.1
/SDI/EQ_CD_SEL1: length 27.2
  Top w0.2: v1(9.03,30.68) 9.5,30.2 10,30.2 10,30.2 U1.5
  Bottom w0.2: v1(9.03,30.68) 10.1,29.6 10.1,23.65 11.5,22.25 13.83,22.25 20.43,15.65 21.65,15.65 22.62,16.62 23.18,16.62 R2.1 R9.2
/SDI/HOST_EQ00: length 24.5
  Top w0.2: U2.9 11.23,9.27 11.05,9.09 9.75,9.09 9.45,8.79 9.45,8.41 11.64,6.22 27.43,6.22 v1(28.75,7.55)
  Bottom w0.2: R31.2 v1(28.75,7.55) R30.1
/SDI/HOST_EQ01: length 31.1
  Top w0.2: v1(11.55,21.5) 11.6,21.55 11.6,23.95 11.25,24.3 U1.9
  Bottom w0.2: R14.2 R7.1 29.12,16.65 29.91,15.86 29.91,15.41 29.5,15 20.45,15 13.95,21.5 v1(11.55,21.5)
/SDI/IN0_C+: length 1.9
  Top w0.14: U2.19 16.09,11.2 16.18,11.11 16.86,11.11 17.19,11.45 R37.1
/SDI/IN0_C-: length 1.9
  Top w0.14: R38.1 17.19,10.45 16.86,10.78 16.18,10.78 16.09,10.7 U2.18
/SDI/MODE_SEL0: length 13.1
  Top w0.2: 21.82,7.55 v1(21.75,7.62) 20.82,6.7 13.27,6.7 12.28,7.69 12.28,8.28 12.73,8.73 U2.12
  Bottom w0.2: 22.1,8.1 21.7,7.7 ; R19.2 22.15,8.03
/SDI/MODE_SEL1: length 18.4
  Top w0.2: v1(12.35,26.2) 12.75,26.6 U1.12
  Bottom w0.2: v1(12.35,26.2) 11.31,25.16 11.31,24.19 12.05,23.45 14.45,23.45 20.6,17.3 21.53,17.3 R8.2 21.93,17.88
/SDI/OUT0_C+: length 2
  Top w0.14: U1.23 15.76,31.7 15.85,31.62 15.98,31.62 16.43,32.06 16.69,32.06 17.08,32.45 R35.1
/SDI/OUT0_C-: length 2
  Top w0.14: R36.1 17.08,31.35 16.69,31.73 16.57,31.73 16.12,31.29 15.85,31.29 15.76,31.2 U1.22
/SDI/OUT0_SEL0: length 32.8
  Top w0.2: U2.4 9.38,12.2 v1(9.04,11.85)
  In2.Cu w0.2: v1(23.84,9.71) 23.84,8.06 v1(24.35,7.55)
  Bottom w0.2: v1(9.04,11.85) 9.62,12.44 9.62,18.72 11.5,20.6 13.7,20.6 14.45,19.85 14.45,18.95 14.9,18.5 15.75,18.5 23.84,10.41 v1(23.84,9.71) ; R23.2 v1(24.35,7.55) R22.1
/SDI/OUT0_SEL1: length 26.8
  Top w0.2: v1(22.5,17.17) 24.22,17.17 v1(24.3,17.25) ; v1(9.7,30.73) 9.73,30.7 U1.4
  Bottom w0.2: v1(22.5,17.17) 22.5,17.15 21.45,16.1 20.6,16.1 14.05,22.65 11.65,22.65 10.5,23.8 10.5,29.93 v1(9.7,30.73) ; R3.1 v1(24.3,17.25) R10.2
/SDI/OUT_CTRL0: length 14.5
  Top w0.2: v1(27.65,7.55) 26.15,9.05 20,9.05 19.45,9.6 16.06,9.6 U2.17
  Bottom w0.2: R29.2 v1(27.65,7.55) R28.1
/SDI/OUT_CTRL1: length 26.8
  Top w0.2: U1.17 15.48,27.77 v1(14.78,27.07) ; v1(21.25,19.85) 21.3,19.8 22.34,19.8 22.72,20.18 23.48,20.18 24.64,19.02 25.83,19.02 v1(27.6,17.25)
  Bottom w0.2: v1(21.25,19.85) 17.25,23.85 12.2,23.85 11.75,24.3 11.75,24.75 12.15,25.15 12.5,25.15 13.55,26.2 14.14,26.2 14.78,26.84 v1(14.78,27.07) ; R6.1 v1(27.6,17.25) R13.2
